# KiCad board MB1635_good_conversion.kicad_pcb (continued)
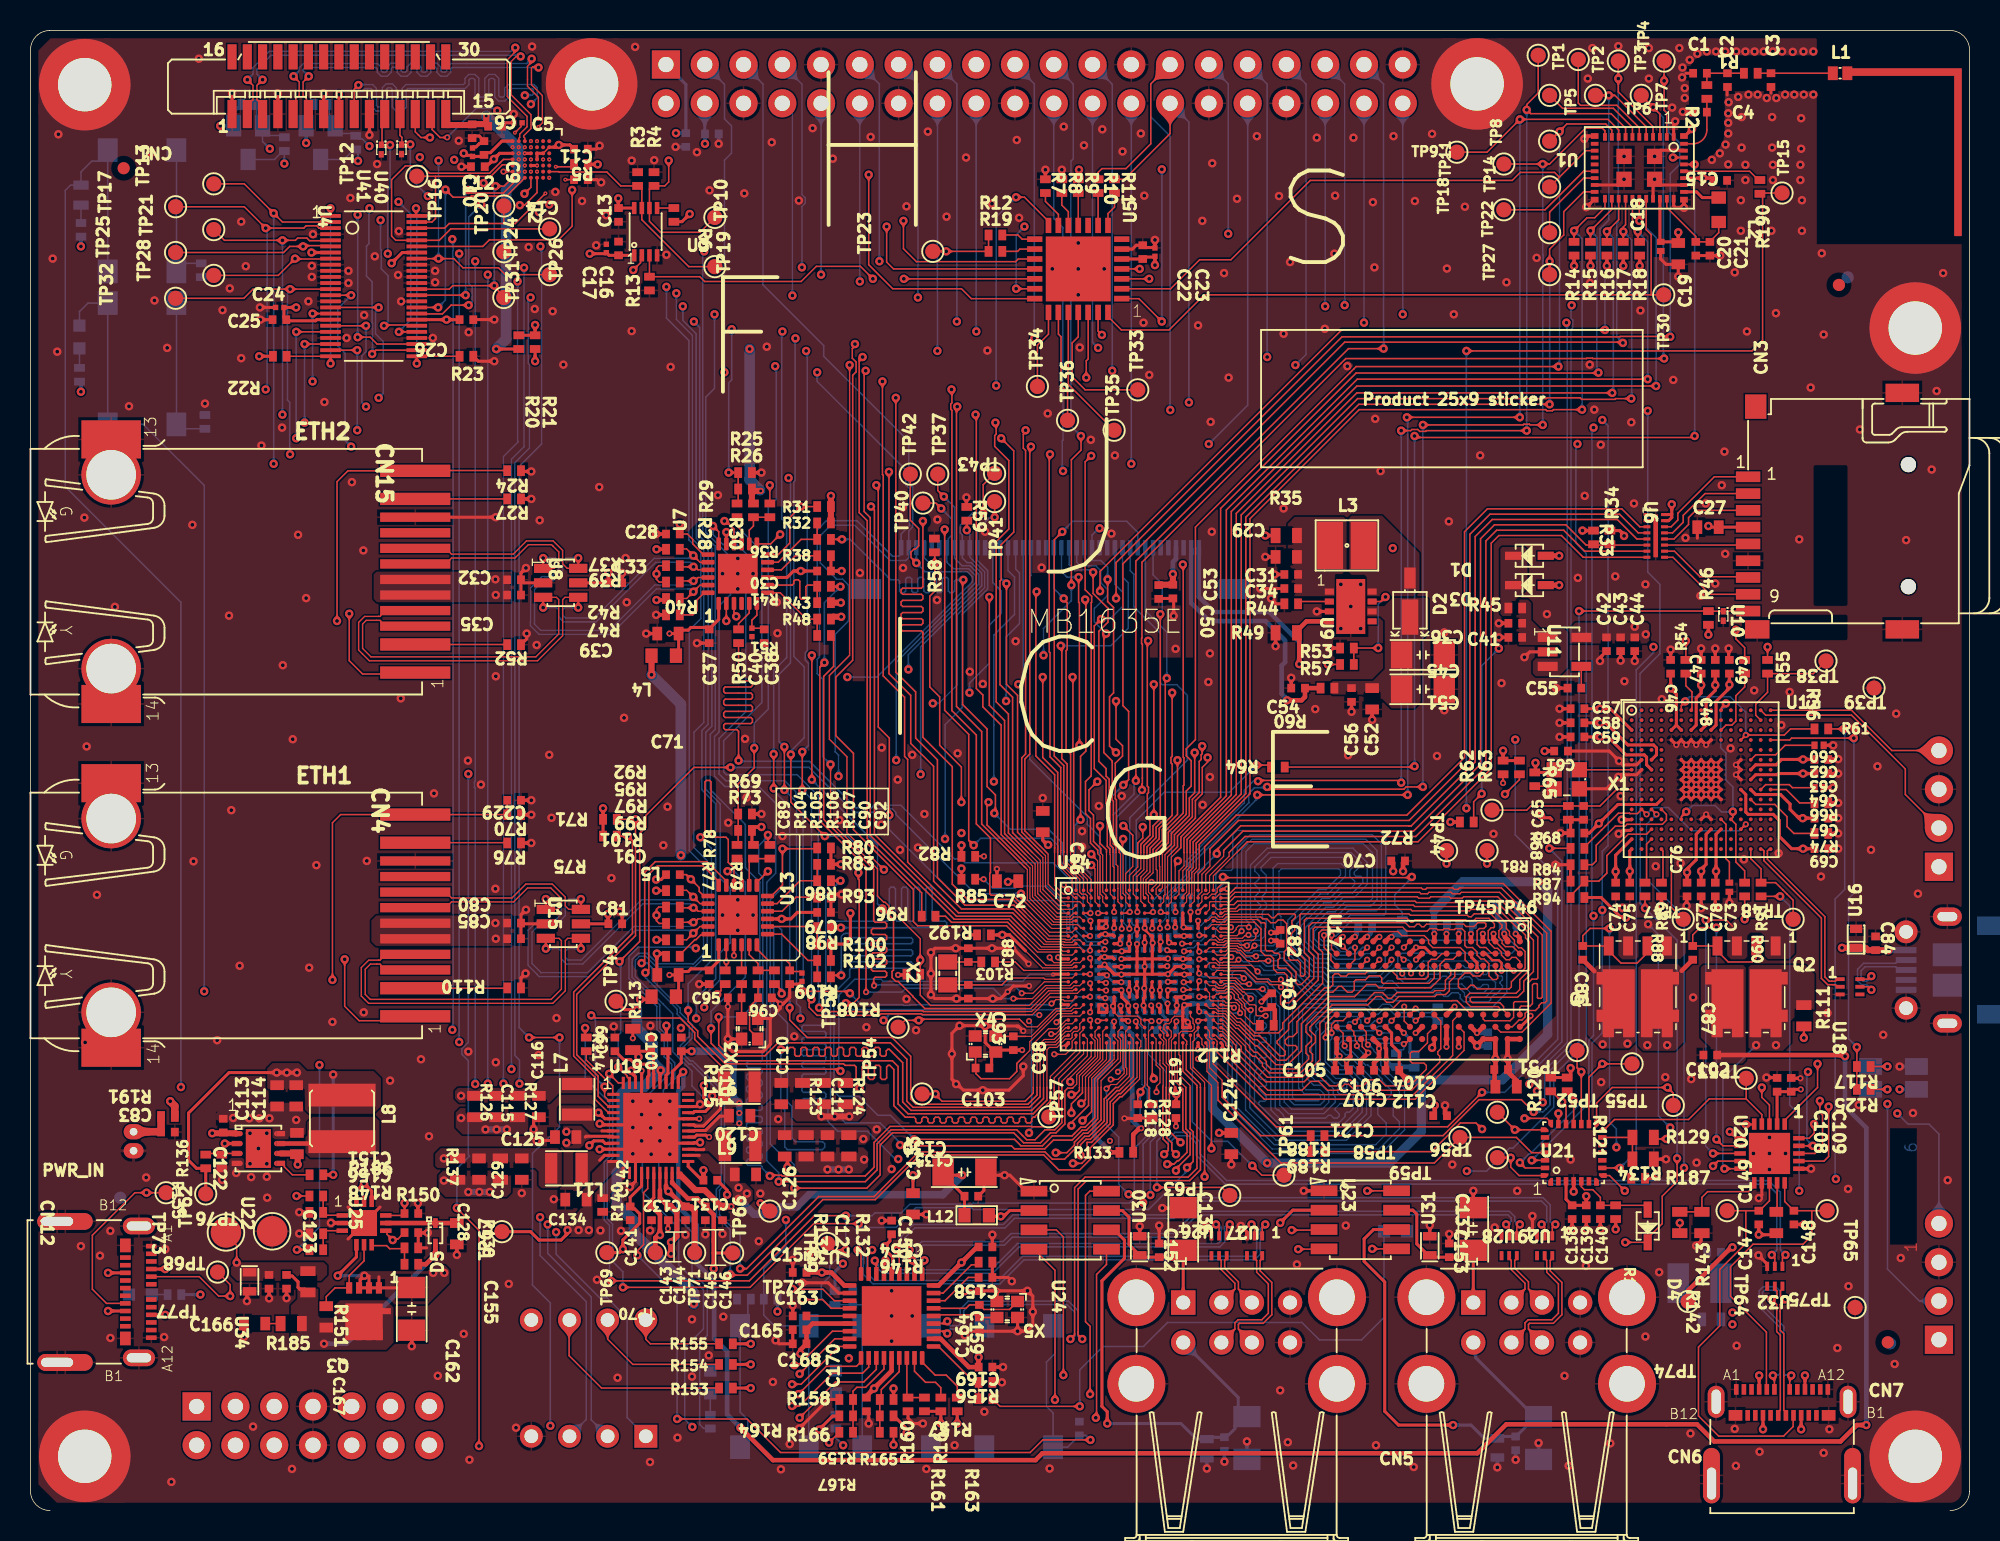
[diagram p0: board, top side]
## Routing (per net, layer and track width the routed paths; a pad name or vN(x,y) marks a point on that pad's centre or on a via; arc(x,y) is an arc through that point) (continued)
VDD_CPU: length 57.1
  Top Layer w0.2: U14.K5 69.98,36.15 70.11,36.28 v2(70.35,36.28) 70.36,36.26 70.86,36.26 70.97,36.15 U14.K7 ; U14.G7 70.97,37.65 70.9,37.72 70.6,37.72 70.58,37.74 70.42,37.74 70.4,37.72 ; 64.15,41.25 C72.2 ; U14.G5 69.98,37.65 70.09,37.76 70.39,37.76 v2(70.4,37.78) ; C66.2 66.3,43.93 66.62,43.6 v1(66.65,43.63) ; U19.5 37.62,25.68 37.22,26.08 v1(37.2,26.08) ; U14.E7 70.98,38.65 70.98,38.17 v2(70.98,38.17) ; 72.48,38.13 U14.E10 ; 72.47,37.68 v2(72.47,38.1)
  Signal Layer 1 w0.4: v1(31.2,24.98) v1(30.52,24.98) v1(29.8,24.98)
  Signal Layer 2 w0.4: v1(29.8,24.98) v1(30.52,24.98) v1(31.2,24.98) 32.3,26.08 v1(37.2,26.08)
  Signal Layer 3 w0.2: CN14.1 9.81,5.75 9.42,5.75 9.27,5.9 9.27,7.6 14.43,12.75 17.18,12.75 18.83,14.4 18.83,19.43 25.65,26.25 27.98,26.25 28.2,26.03 v1(28.2,25.73)
  Signal Layer 3 w0.4: v1(31.2,24.98) v1(30.52,24.98) v1(29.8,24.98)
  Bottom Layer w0.09: 72,37.63 v2(72.47,38.1)
  Bottom Layer w0.1: 70.44,36.28 70.47,36.28 70.47,36.28 v2(70.35,36.28) ; 72.42,38.16 72.42,38.26 72.32,38.36 72.25,38.36 72.13,38.48 72.13,38.55 C177.1
  Bottom Layer w0.15: 69.98,36.53 69.98,36.43 70.08,36.43 70.18,36.32 70.39,36.32 70.44,36.28
  Bottom Layer w0.2: C187.2 70.94,37.66 70.94,38.13 v2(70.98,38.17) 71,38.19 71,38.63 71.03,38.65
  Bottom Layer w0.3: C194.2 70.97,36.24 70.54,36.24 70.5,36.28 70.47,36.28 ; C183.2 69.93,37.65 70.04,37.65 70.11,37.73 70.4,37.73 ; C187.2 70.88,37.65 70.77,37.65 70.7,37.72 70.52,37.72 70.52,37.73 70.48,37.73 70.43,37.78 v2(70.4,37.78)
  Bottom Layer w0.4: v1(31.2,24.98) v1(30.52,24.98) v1(29.8,24.98)
  vias: v1(64.02,41.2)
VDD_DDR: length 80.3
  Top Layer w0.09: 90.35,31.7 89.98,32.07 v2(89.98,33.03)
  Top Layer w0.1: 91.9,36.53 91.94,36.49 ; 95.94,37.29 96.74,36.49
  Top Layer w0.125: 86.35,30.9 86.46,30.79
  Top Layer w0.15: v2(96.35,35.37) 96.35,35.89 96.17,36.07 95.75,36.07 95.32,36.49 95.14,36.49
  Top Layer w0.175: 86.46,29.76 86.46,30.79
  Top Layer w0.2: 75.4,36.15 v2(75.48,36.15) ; v2(75.48,36.15) 75.47,36.16 74.98,36.16 U14.K15 ; v2(75.48,36.15) U14.K17 ; U17.A8 97.6,31.7 98.21,32.31 98.21,32.39 v2(98.25,32.42) ; 91.9,36.53 91.69,36.53 91.32,36.9 v2(90.75,36.9) ; U14.G17 75.97,37.66 75.95,37.66 75.95,37.66 75.56,37.66 v2(75.55,37.65) U14.G15 ; U19.9 38.15,24.05 37.65,24.05 37.47,24.23 36.9,24.23 v1(36.6,23.93) ; 91.77,30.3 v1(91.8,30.33) 91.95,30.48 U17.H9 ; U14.U15 75.08,32.75 v2(75.08,33.1) 75.08,33.55 U14.R15 75.53,33.65 v2(75.55,33.63) 75.58,33.65 U14.R17 ; U14.M15 U14.M17 ; v2(74.98,38.23) U14.E15
  Top Layer w0.3: 95.94,37.29 95.94,37.33 95.82,37.45 v2(95.82,37.8) ; 86.35,37.3 86.63,37.58 86.73,37.58 v2(86.75,37.6) ; 91.95,26.55 91.97,26.53 91.97,25.98 C121.2 ; v2(80.63,33.35) 81.18,33.9 C94.2 ; 87.95,37.3 88.23,37.58 88.33,37.58 v2(88.35,37.6) ; 97.55,37.3 97.53,37.32 97.53,37.54 v2(97.27,37.8) ; 95.89,28.86 95.89,27.89 95.94,27.84 ; 95.89,28.86 95.89,28.89 ; 95.89,28.86 95.95,28.92 95.95,29.56 95.94,29.57 95.94,30.89 U17.C9 U17.D9 94.74,30.49 94.34,30.89 ; 92.74,32.49 v2(93.27,33.02) ; v1(89.25,41.9) 89.25,42.45 C70.2 ; 88,28.85 88,29.35 88.33,29.68 v2(88.33,30.28) 88.33,30.52 87.95,30.9 ; v2(81.25,37.35) 81.65,37.35 C82.2 ; 90.34,36.49 90.72,36.87 ; 86.46,29.76 v2(86.2,29.5) 86.2,29 86.35,28.85 ; v2(93.54,37.79) 93.54,37.3 93.55,37.3
  Signal Layer 1 w0.4: v1(28.67,20.88) v1(29.4,20.88) v1(30.07,20.88)
  Signal Layer 2 w0.4: v1(28.67,20.88) v1(29.4,20.88) v1(30.07,20.88) 32.3,23.1 35.83,23.1 36.6,23.88 v1(36.6,23.93)
  Signal Layer 3 w0.2: CN14.3 12.55,7.69 12.55,8.3 13.03,8.78 16.04,8.78 21.2,13.93 21.2,17.65 23.15,19.6 25.7,22.15 26.9,22.15 27.07,21.98 v1(27.07,21.63)
  Signal Layer 3 w0.4: v1(30.07,20.88) v1(29.4,20.88) v1(28.67,20.88)
  Bottom Layer w0.15: C193.2 75,36.25 ; 76.03,36.5 75.93,36.4 75.85,36.4 75.65,36.2 75.52,36.2 v2(75.48,36.15) 75.46,36.17 75.39,36.17
  Bottom Layer w0.175: C204.1 74.98,33.63 ; 74.93,32.65 74.98,32.7
  Bottom Layer w0.2: 75.58,35.1 75.59,35.09 75.73,35.09 75.9,34.93 75.98,34.93 76.03,34.88
  Bottom Layer w0.3: C181.2 86.87,38.14 86.87,37.75 86.75,37.63 v2(86.75,37.6) ; C182.2 75.98,37.65 arc(75.95,37.66) 75.92,37.66 75.63,37.66 arc(75.6,37.66) 75.57,37.65 75.55,37.65 v2(75.55,37.65) 75.12,37.65 C184.2 74.98,37.8 v2(74.98,38.23) 74.98,38.58 74.88,38.68 ; v2(97.27,37.8) 97.29,37.82 97.29,38.37 97.48,38.55 C172.2 ; v2(93.54,37.79) 93.57,37.82 C179.2 ; 75,33.63 v2(75.55,33.63) 75.57,33.64 75.84,33.64 75.92,33.73 76.03,33.73 C206.2 ; C204.1 75.08,33.43 v2(75.08,33.1) 75.08,32.8 74.98,32.7 ; v1(94.75,30.45) 95.24,30.45 95.27,30.43 95.33,30.49 95.42,30.4 ; 75.39,36.17 75.31,36.25 75,36.25 ; C212.2 C211.2
  Bottom Layer w0.4: v1(28.67,20.88) v1(29.4,20.88) v1(30.07,20.88)
  vias: v1(91.97,26.55) v1(95.95,29.61) v2(75.58,35.13)
VDD_LS: length 12.5
  Top Layer w0.2: 19.1,78.05 U4.18 ; v1(33.05,77.7) R21.1 R20.1 ; v1(18.4,82.45) U4.7 ; R6.2 42.15,84.47 42.67,84.47 v1(43.17,84.98) ; v1(36.63,82.38) 37.65,82.38 C17.2 37.89,82.26 C16.2 U3.1 ; 19.72,78.05 18.75,78.05 18.67,77.98 16.82,77.98 16.6,78.2 C24.2 v1(17.4,78.85)
VDD_SD: length 128
  Top Layer w0.2: 110,64.45 C27.2 CN3.4 ; 41.63,21.3 U19.20 ; 107.5,65.3 107.47,65.28 U6.16 ; 107.5,65.3 107.5,65.08 107.29,64.88 U6.15 ; 107.5,65.3 v1(107.5,65.95) ; R34.2 104.1,64.23 104.45,63.88
  Top Layer w0.3: C144.2 42.79,20.03 42.69,20.03 41.78,20.93 41.63,21.09 41.63,21.3
  Top Layer w0.4: TP71.1 43.5,19.64 43.27,19.87 42.98,19.87 42.92,19.92
  Signal Layer 3 w0.5: v1(109.9,64.53) 109.9,64.55 108.5,65.95 v1(107.5,65.95) 106.52,65.95 104.45,63.88 v1(104.37,63.88) 104.37,63.87 104.37,63.79 103.12,62.55 103.12,58.65 101.65,57.18 101.65,32.85 86.55,17.75 70.85,17.75 64.55,24.05 64.55,26.61 60.46,30.7 52.94,30.7 45.94,23.7 44.55,23.7 v1(41.78,20.93)
VDD_USB: length 82.4
  Top Layer w0.075: 74.95,27.8 74.78,27.98 74.78,29.19 74.56,29.41 74.56,30.89 74.72,31.05 74.72,31.4 U14.W14
  Top Layer w0.2: 74.97,27.73 74.97,27.48 74.95,27.45 75.05,27.35 v1(75.05,27.28) 75.05,26.93 74.95,26.83 75.15,26.63 ; 39.45,31.6 R113.2 v2(39.45,30.95)
  Signal Layer 2 w0.4: v1(75.05,27.28) 75.05,27.62 74.95,27.73 74.95,27.75 73.39,29.32 66.36,29.32 66,29.68 61.05,29.68 60.13,28.76 53.86,28.76 53.17,28.07 52.83,28.07 52,28.9 45.63,28.9 43.58,30.95 v2(39.45,30.95)
  Signal Layer 3 w0.2: 16.11,6.97 16.88,7.74 16.88,8.04 19.03,10.2 22.67,10.2 31.18,18.7 31.18,21.52 31.85,22.19 31.85,26.17 36.13,30.45 39.33,30.45 39.45,30.57 v2(39.45,30.95)
(no net):
  vias: v1(14.38,24.73) v1(14.38,22.73) v1(14.92,23.73) v1(15.47,24.73) v1(15.47,22.73) v1(98.93,45.56)
BOOT0: length 69.7
  Top Layer w0.075: 76.9,27.73 76.9,28.06 75.97,28.99 U14.Y17
  Top Layer w0.1: v1(76.9,21.88) 76.9,27.73
  Signal Layer 2 w0.1: v1(34.42,18.25) 35.08,18.9 48.68,18.9 50.68,20.9 70.78,20.9 71.7,21.83 76.85,21.83 v1(76.9,21.88)
  Bottom Layer w0.1: SW1.1 39.08,6.09 39.08,12.63 37.76,13.94 37.29,13.94 34.42,16.8 v1(34.42,18.25)
BOOT1: length 67.3
  Top Layer w0.075: U14.AA15 74.97,29.47 75.11,29.33 75.11,28.29 75.68,27.73
  Top Layer w0.1: 75.67,27.72 75.67,25.01 75.95,24.73 75.95,23.32 75.02,22.39 v1(75.02,22.28)
  Signal Layer 2 w0.1: v1(33.88,18.75) 33.88,18.75 34.28,19.15 48.65,19.15 50.2,20.7 50.83,21.33 70.86,21.33 71.81,22.28 v1(75.02,22.28)
  Bottom Layer w0.1: v1(33.88,18.75) 33.88,16.85 36.73,14 36.73,5.94 SW1.2
BOOT2: length 68.5
  Top Layer w0.075: 75.38,27.73 74.95,28.16 74.95,29.26 74.73,29.48 74.73,30.82 74.89,30.98 74.89,31.03 74.97,31.11 U14.Y15
  Top Layer w0.1: v1(74.45,22.7) 74.89,22.7 75.12,22.93 75.2,22.93 75.45,23.17 75.45,23.18 75.75,23.48 75.75,24.65 75.47,24.93 75.47,27.63 75.38,27.73
  Signal Layer 2 w0.1: v1(74.45,22.7) 71.95,22.7 70.77,21.53 50.23,21.53 50.2,21.55 49.85,21.55 49.6,21.3 49.6,21.2 47.78,19.38 33.52,19.38 v1(33.38,19.23)
  Bottom Layer w0.1: v1(33.38,19.23) 33.38,16.71 36.4,13.69 36.4,5.97 SW1.3
BT_DEV_WAKE: length 47.8
  Top Layer w0.1: U5.1 72.6,79.43 v1(74.1,77.93) ; v1(107.58,88.68) U1.39
  Signal Layer 2 w0.1: v1(74.1,87.9) 74.17,87.83 106.73,87.83 v1(107.58,88.68)
  Bottom Layer w0.1: v1(74.1,77.93) v1(74.1,87.9)
BT_HOST_WAKE: length 67.1
  Top Layer w0.1: v1(109,70.43) 108.91,70.34 108.73,70.34 108.72,70.33 90.87,70.33 90.77,70.43 v1(90.65,70.43) ; R64.1 90.65,48.73 ; U1.38 v1(109,88.23)
  Bottom Layer w0.1: v1(90.65,70.43) 90.65,70.42 v1(90.65,48.78) ; v1(109,70.43) v1(109,88.23)
BT_PCM_CLK: length 80.3
  Top Layer w0.09: v2(73.97,38.15) U14.E13
  Top Layer w0.1: U1.11 103.12,90.43 102.95,90.6 101.85,90.6 99.5,88.25 TP11.1 ; v1(91.2,71.15) 97.77,71.15 97.82,71.2 98.18,71.2 98.23,71.15 v1(99.05,71.15) ; v1(81,47.43) 81.15,47.28 89.96,47.28 90.1,47.43 v1(91.2,47.43)
  Bottom Layer w0.09: 76.54,43.13 75.87,42.45 75.87,41.58 74.38,40.09 74.38,38.83 73.98,38.43 v2(73.98,38.15)
  Bottom Layer w0.1: v1(81,47.43) 80.95,47.38 80.17,47.38 79.8,47 79.8,46.38 76.54,43.13 ; v1(91.2,47.43) v1(91.2,71.15) ; v1(99.05,88.25) 99.05,82.3 99.08,82.28 99.08,81.92 99.05,81.9 v1(99.05,71.15)
BT_PCM_SDI: length 74.5
  Top Layer w0.075: 73.94,43.13 73.94,42.24 73.96,42.21 73.96,40.99 73.72,40.75 73.72,40.4 U14.B13
  Top Layer w0.1: 73.94,43.13 73.94,43.18 74.53,43.77 74.53,44.45 75.7,45.63 75.7,47.15 76.03,47.48 76.03,49.14 75.7,49.46 75.7,49.93 76.3,50.53 76.3,64.45 86.42,74.58 86.43,74.58 86.67,74.82 86.67,74.83 86.83,74.98 v1(100.08,74.98) ; TP8.1 100.62,90.88 103.18,90.88 103.58,90.48 U1.10
  Bottom Layer w0.1: v1(100.15,90.38) 100.15,75.05 v1(100.08,74.98)
BT_PCM_SDO: length 85.4
  Top Layer w0.09: 74.48,38.15 U14.E14
  Top Layer w0.1: 90.15,46.98 90.08,46.9 v1(80.35,46.9) ; TP9.1 95.4,89.03 v1(97.55,91.18) 103.33,91.18 104.03,90.48 U1.9 ; v1(90.15,71.65) v1(97.55,71.65)
  Bottom Layer w0.09: v2(74.48,38.23) 74.48,38.66 74.56,38.75 74.56,40.01 76.05,41.5 76.05,42.35 76.83,43.13
  Bottom Layer w0.1: 76.83,43.13 80.35,46.65 v1(80.35,46.9) ; v1(90.2,46.9) 90.2,71.6 v1(90.15,71.65) ; v1(97.55,71.65) v1(97.55,91.18)
BT_PCM_WS: length 85.1
  Top Layer w0.09: 74.08,39.15 U14.D14
  Top Layer w0.1: U1.8 104.47,90.6 103.52,91.55 98.27,91.55 98.02,91.8 v1(98,91.8) 98,92.15 98.75,92.9 TP1.1 ; v1(89.78,47.7) 89.66,47.7 89.51,47.85 80.45,47.85 v1(80.4,47.8) ; v1(98,70.78) 91.43,70.78 91.38,70.73 90.99,70.73 90.86,70.85 90.47,70.85 90.4,70.78 v1(89.78,70.78)
  Bottom Layer w0.09: 76.25,43.13 75.68,42.56 75.68,41.66 74.03,40 v2(74.03,39.23)
  Bottom Layer w0.1: v1(98,70.78) v1(98,91.8) ; 76.25,43.13 79.5,46.38 79.5,47.2 80.1,47.8 v1(80.4,47.8) ; v1(89.78,47.7) 89.78,70.77 v1(89.78,70.78)
BT_REG_ON: length 35.9
  Top Layer w0.1: TP14.1 100.14,87.39 ; 100.14,87.39 101.88,89.13 U1.14 ; 100.14,87.39 99.83,87.7 97.58,87.7 97.05,87.18 83.83,87.18 78.62,81.98 76.58,81.98 74.68,80.08 U5.2
CAM_ENABLE: length 57.9
  Top Layer w0.1: CN1.11 23.02,91.35 23.02,89.56 U41.1 22.99,89.5 v1(23.55,89.5) ; v1(64.56,80.08) U5.20
  Signal Layer 2 w0.1: v1(23.4,82.38) 25.2,82.38 26.6,83.78 55.85,83.78 55.9,83.73 64.68,83.73 v1(65.1,84.15)
  Bottom Layer w0.1: v1(23.55,89.5) 23.55,86.7 23.4,86.55 v1(23.4,82.38) ; v1(64.56,80.08) 64.56,83.61 v1(65.1,84.15)
CAM_RESET: length 53.6
  Top Layer w0.1: v1(54.9,87.55) 54.9,81.65 56.47,80.08 60.97,80.08 61.63,79.43 U5.21 ; CN1.12 24.2,90.13 24.32,90 24.32,89.55 U40.1 ; 24.32,89.54 v1(24.88,89.54)
  Signal Layer 2 w0.1: v1(26.03,86.15) 26.05,86.13 28.93,86.13 29.18,86.38 30.7,86.38 31.88,87.55 v1(54.9,87.55)
  Bottom Layer w0.1: v1(24.88,89.54) 24.88,87.3 v1(26.03,86.15)
CC1: length 2.4
  Top Layer w0.1: R149.1 R147.2 19.37,18.34 U25.3
CC2: length 2.4
  Top Layer w0.1: 19.17,20.63 19.17,19.55 19.37,19.35 20.42,19.35
CLK_N: length 28.8
  Top Layer w0.09: CN1.8 v1(20.2,92.8)
  Signal Layer 1 w0.075: v3(32.38,89.35) 32.35,89.38 32.35,89.51 32.09,89.77 32.09,91.45 32.36,91.72 32.36,92.73 v1(32.38,92.75)
  Bottom Layer w0.09: v1(20.2,92.8) 20.28,92.8 20.48,93 21.73,93 21.93,93.2 22.3,93.2 22.39,93.1 22.39,91.97 22.64,91.72 23.05,91.72 23.3,91.97 23.3,93.14 23.4,93.24 23.6,93.24 23.69,93.14 23.69,91.97 23.94,91.72 24.35,91.72 24.6,91.97 24.6,93.1 24.7,93.2 28.47,93.2 28.72,93.45 28.72,93.76 28.81,93.86 29.01,93.86 29.11,93.76 29.11,92.63 29.36,92.38 29.77,92.38 30.02,92.63 30.02,93.76 30.11,93.86 30.31,93.86 30.41,93.76 30.41,92.63 30.66,92.38 31.07,92.38 31.32,92.63 31.32,93.1 31.41,93.2 32.87,93.2 32.92,93.15 32.92,92.83 32.86,92.76 32.38,92.76 v1(32.38,92.75)
CLK_P: length 27.9
  Top Layer w0.09: v1(21.47,93.43) 21.2,93.15 CN1.9
  Signal Layer 1 w0.075: v3(32.78,89.75) 32.75,89.78 32.61,89.78 32.47,89.93 32.47,91.3 32.73,91.56 32.73,92.13 v1(32.77,92.18)
  Bottom Layer w0.09: v1(21.47,93.43) 21.51,93.46 22.4,93.46 22.65,93.21 22.65,92.08 22.75,91.98 22.95,91.98 23.04,92.08 23.04,93.25 23.29,93.5 23.7,93.5 23.95,93.25 23.95,92.08 24.05,91.98 24.25,91.98 24.34,92.08 24.34,93.21 24.59,93.46 28.36,93.46 28.46,93.56 28.46,93.87 28.71,94.12 29.12,94.12 29.37,93.87 29.37,92.74 29.46,92.64 29.66,92.64 29.76,92.74 29.76,93.87 30.01,94.12 30.42,94.12 30.67,93.87 30.67,92.74 30.76,92.64 30.96,92.64 31.06,92.74 31.06,93.21 31.31,93.46 32.98,93.46 33.18,93.25 33.18,92.59 v1(32.77,92.18)
DATA1_N: length 28.4
  Top Layer w0.09: CN1.2 14.2,92.15 14.45,92.41 14.52,92.41 14.57,92.46 14.57,93.41 v1(14.2,93.78) ; U2.F1 31.98,89.76 31.98,89.93 32.04,89.99 32.04,90.21 32.52,90.69 32.52,91.38 31.22,92.67 31.22,95.08 31.8,95.65 31.75,95.7 v1(31.75,95.88)
  Bottom Layer w0.09: v1(31.75,95.88) 31.72,95.88 31.48,95.64 15.64,95.64 14.57,94.56 14.57,94.15 v1(14.2,93.78)
DATA1_P: length 27.8
  Top Layer w0.09: v1(15.2,93.78) 14.83,93.41 14.83,92.46 14.88,92.41 14.95,92.41 15.2,92.15 CN1.3 ; v1(32.1,95.3) 31.81,95.3 31.48,94.97 31.48,92.78 32.78,91.49 32.78,90.58 32.3,90.1 32.3,90.02 32.38,89.94 U2.E1
  Bottom Layer w0.09: v1(32.1,95.3) 32.02,95.38 15.75,95.38 14.83,94.46 14.83,94.15 v1(15.2,93.78)
DATA2_N: length 29.2
  Top Layer w0.09: CN1.5 17.38,91.7 17.38,92.53 17.59,92.75 17.59,93.63 v1(17.22,94) ; 33.27,91.2 33.27,92.63 32.55,93.34 32.55,94.65 32.82,94.93 v1(32.82,95.15)
  Signal Layer 1 w0.075: v3(33.26,91.2) 33.27,91.2 33.41,91.06 33.85,90.62 33.85,89.96 33.31,89.43 32.9,89.43 32.83,89.35 v3(32.78,89.35)
  Bottom Layer w0.09: v1(17.22,94) 17.59,94.37 17.59,94.56 17.87,94.84 22.72,94.84 22.97,94.59 22.97,94.37 23.07,94.27 23.27,94.27 23.36,94.37 23.36,94.61 23.61,94.86 24.02,94.86 24.27,94.61 24.27,94.37 24.37,94.27 24.57,94.27 24.66,94.37 24.66,94.61 24.91,94.86 25.32,94.86 25.57,94.61 25.57,94.37 25.67,94.27 25.87,94.27 25.96,94.37 25.96,94.61 26.21,94.86 26.62,94.86 26.87,94.61 26.87,94.37 26.97,94.27 27.17,94.27 27.26,94.37 27.26,94.59 27.51,94.84 32.51,94.84 v1(32.82,95.15)
DATA2_P: length 27.8
  Top Layer w0.09: v1(33.27,94.58) 33.22,94.63 32.89,94.63 32.81,94.55 32.81,93.45 33.52,92.74 33.52,91.32 33.53,91.31 33.53,90.96 v3(33.26,90.68) ; v1(18.22,94) 17.85,93.63 17.85,92.75 18.07,92.53 18.07,91.65 CN1.6
  Signal Layer 1 w0.075: v3(33.26,90.68) 33.47,90.47 33.47,90.05 v3(33.17,89.75)
  Bottom Layer w0.09: v1(18.22,94) 17.85,94.37 17.85,94.45 17.98,94.58 22.62,94.58 22.71,94.48 22.71,94.26 22.96,94.01 23.37,94.01 23.62,94.26 23.62,94.5 23.72,94.6 23.92,94.6 24.01,94.5 24.01,94.26 24.26,94.01 24.67,94.01 24.92,94.26 24.92,94.5 25.02,94.6 25.22,94.6 25.31,94.5 25.31,94.26 25.56,94.01 25.97,94.01 26.22,94.26 26.22,94.5 26.32,94.6 26.52,94.6 26.61,94.5 26.61,94.26 26.86,94.01 27.27,94.01 27.52,94.26 27.52,94.48 27.62,94.58 v1(33.27,94.58)
DCMI_D0: length 100.5
  Top Layer w0.075: 67.47,43.13 67.47,42.39 68.47,41.39 U14.A2
  Top Layer w0.1: v1(66.78,69.23) 66.72,69.17 66.72,56.28 66.78,56.23 66.78,49.4 67.48,48.7 67.48,43.26 67.47,43.26 67.47,43.13 ; TP32.1 13.97,79.45 14.57,80.05 v1(17,80.05) U4.13
  Signal Layer 2 w0.219: v1(17,69.23) v1(66.78,69.23)
  Bottom Layer w0.1: v1(17,69.23) 16.97,69.25 16.97,72.63 16.82,72.78 16.82,79.77 17,79.94 v1(17,80.05)
DCMI_D1: length 87.7
  Top Layer w0.075: 66.55,43.13 66.65,43.03 66.65,41.05 67.55,40.15 U14.B1
  Top Layer w0.1: v1(65.53,69.73) 65.45,69.65 65.45,49.58 65.12,49.25 65.12,44.55 66.55,43.13 ; U4.14 v1(21,79.65)
  Signal Layer 2 w0.219: v1(21,69.73) v1(65.53,69.73)
  Bottom Layer w0.1: v1(21,69.73) 20.6,70.13 20.6,75.85 20.13,76.33 20.13,78.77 v1(21,79.65)
DCMI_D2: length 86.8
  Top Layer w0.075: U14.G2 68.46,37.64 68.31,37.64 68.08,37.4 67.81,37.4 67.77,37.45 66.65,37.45 65.17,38.92
  Top Layer w0.1: v1(56.68,72.93) 56.68,54.95 57.98,53.65 57.98,50.63 59.4,49.2 59.4,41.48 61.2,39.68 64.42,39.68 65.17,38.92 ; U4.16 v1(22.8,78.85)
  Signal Layer 2 w0.219: v1(22.8,72.93) v1(56.68,72.93)
  Bottom Layer w0.1: v1(22.8,72.93) 23.1,73.23 23.1,76.62 22.6,77.12 22.6,78.57 22.8,78.77 v1(22.8,78.85)
DCMI_D3: length 88.4
  Top Layer w0.075: 65.17,38.33 66.39,37.11 67.63,37.11 67.67,37.07 68.35,37.07 68.44,37.15 U14.H2
  Top Layer w0.1: v1(55.8,74) 55.8,67.9 55.85,67.85 55.85,54.7 57.25,53.3 57.25,49.42 57.45,49.22 57.45,42.5 60.77,39.18 64.33,39.18 65.17,38.33 ; v1(18.48,78.45) U4.17
  Signal Layer 2 w0.219: v1(18.47,74) v1(55.8,74)
  Bottom Layer w0.1: v1(18.48,74) v1(18.48,78.45)
DCMI_D4: length 85.3
  Top Layer w0.075: 65.17,42.12 65.29,42.01 65.29,40.01 66.9,38.4 68.58,38.4 68.81,38.16 68.96,38.16 U14.F3
  Top Layer w0.1: v1(60.7,72.35) 60.65,72.3 60.65,52.7 62.3,51.05 62.3,44.99 65.09,42.2 65.1,42.2 65.17,42.12 ; U4.19 v1(21.97,77.65)
  Signal Layer 2 w0.219: v1(21.97,72.35) v1(60.7,72.35)
  Bottom Layer w0.1: v1(21.98,77.65) 21.98,75.95 21.7,75.68 21.7,72.63 v1(21.98,72.35)
DCMI_D5: length 89.8
  Top Layer w0.075: 65.63,43.13 66.14,42.61 66.14,40.59 67.33,39.4 68.22,39.4 U14.C2
  Top Layer w0.1: 65.63,43.13 64.33,44.43 64.33,53.3 63.5,54.13 63.5,60.93 63.58,61 63.58,63.3 64.4,64.13 64.4,69.45 v1(63.58,70.28) ; v1(17.4,77.25) U4.20
  Signal Layer 2 w0.219: v1(17.4,70.28) v1(63.58,70.28)
  Bottom Layer w0.1: v1(17.4,70.28) v1(17.4,77.25)
DCMI_D6: length 87.4
  Top Layer w0.075: 65.33,43.13 65.97,42.48 65.97,40.43 67.25,39.15 U14.D1
  Top Layer w0.1: 65.33,43.13 64.05,44.4 64.05,52.2 63.25,53 63.25,63.5 64.08,64.33 64.08,68.82 63.15,69.74 63.15,70.45 63.25,70.55 63.25,71.25 v1(63.2,71.3) ; v1(17.95,76.45) U4.22
  Signal Layer 2 w0.219: v1(17.95,71.3) v1(63.2,71.3)
  Bottom Layer w0.1: v1(17.95,71.3) v1(17.95,76.45)
DCMI_D7: length 84.6
  Top Layer w0.075: 66.27,43.13 66.48,42.91 66.48,40.85 67.42,39.9 68.72,39.9 U14.C3
  Top Layer w0.1: v1(65.18,70.8) 65.18,70.68 65.02,70.53 65.02,69.62 65.17,69.47 65.17,49.58 64.92,49.33 64.92,44.47 66.27,43.13 ; U4.23 v1(21.4,76.05)
  Signal Layer 2 w0.219: v1(21.4,70.8) v1(65.18,70.8)
  Bottom Layer w0.1: v1(21.4,70.8) v1(21.4,76.05)
DCMI_HSYNC: length 102.2
  Top Layer w0.075: U14.E3 68.72,38.9 68.32,38.9 68.15,38.73 67.12,38.73 65.63,40.22 65.63,42.25 65.17,42.7
  Top Layer w0.1: v1(61.9,71.83) 61.95,71.78 61.95,53.88 62.37,53.45 62.37,52.68 63.58,51.48 63.58,44.3 65.17,42.7 ; TP21.1 12.7,83.25 v1(16.5,83.25) 17.35,83.25 17.5,83.4 18.1,83.4 18.27,83.23 19.63,83.23 U4.5
  Signal Layer 2 w0.219: v1(16.5,71.83) v1(61.9,71.83)
  Bottom Layer w0.1: v1(16.5,71.83) v1(16.5,83.25)
DCMI_PIXCLK: length 109.4
  Top Layer w0.075: U14.C6 70.22,39.9 70.22,40.23 70.22,40.23 70.22,40.25 70.06,40.41 70.06,42.88 69.9,43.04 69.9,43.13
  Top Layer w0.1: TP13.1 14,86.95 v1(15.93,85.03) 16.5,84.45 U4.2 ; v1(69.48,69.13) 69.08,68.73 69.08,60.35 69.5,59.92 69.5,59.53 69.48,59.5 69.48,48.15 69.1,47.78 69.1,45.68 69.43,45.35 69.43,43.75 69.9,43.28 69.9,43.13
  Signal Layer 2 w0.219: v1(69.48,69.13) 67.39,69.13 66.87,68.6 v1(15.92,68.6)
  Bottom Layer w0.1: v1(15.93,68.6) v1(15.93,85.03)
DCMI_VSYNC: length 107.4
  Top Layer w0.075: U14.F2 68.22,37.9 66.75,37.9 65.58,39.07 65.58,39.08 65.17,39.48
  Top Layer w0.1: TP17.1 14,85.45 v1(15.4,84.05) 17.9,84.05 18.05,84.2 18.75,84.2 18.9,84.05 U4.3 ; 65.17,39.48 64.33,40.33 62.92,40.33 62.83,40.41 62.83,41.76 62.88,41.8 62.88,44.07 61.95,45 61.95,50.83 60.35,52.43 60.35,72.1 60.28,72.17 60.28,72.53 60.35,72.6 60.35,73.45 v1(60.33,73.48)
  Signal Layer 2 w0.219: v1(15.4,73.48) v1(60.33,73.48)
  Bottom Layer w0.1: v1(15.4,84.05) 15.49,83.96 15.49,83.78 15.5,83.77 15.5,73.7 15.4,73.6 v1(15.4,73.48)
DDR_A0: length 30.1
  Top Layer w0.075: 79.59,37.06 79.23,37.06 79.13,37.16 78.32,37.16 78.22,37.07 77.73,37.07 77.73,37.07 77.72,37.07 77.64,37.14 77.47,37.14
  Top Layer w0.09: 87.95,35.69 v2(88.35,36.1)
  Bottom Layer w0.09: 79.66,37 80.03,37.37 80.56,37.37 80.83,37.64 80.83,38.1 80.94,38.21 80.94,38.63 80.69,38.88 80.69,39.26 80.95,39.52 80.95,39.79 80.68,40.06 80.68,40.25 80.94,40.51 80.94,41.64 80.6,41.98 80.6,42.15 81.25,42.8 86.4,42.8 86.7,42.5 86.7,42.25 86.42,41.97 86.42,41.56 86.73,41.25 86.73,41.02 86.46,40.76 85.73,40.76 85.09,40.11 84.59,40.11 82.93,38.45 82.93,37.1 84.15,35.88 84.92,35.88 85.26,35.54 87.79,35.54 v2(88.35,36.1)
  vias: v2(79.68,37.03)
DDR_A1: length 29.9
  Top Layer w0.075: U14.N21 78.01,34.65 78.09,34.73 78.89,34.73 79.47,34.16 80.76,34.16
  Top Layer w0.09: v2(86.75,32.02) 87.15,32.42 87.15,32.5
  Bottom Layer w0.09: v2(86.75,32.02) 86.33,32.02 86.26,31.95 86.26,31.79 86.21,31.74 85.7,31.74 85.63,31.81 85.63,32.03 85.57,32.08 85.36,32.08 85.21,31.94 84.85,31.94 84.7,32.08 84.43,32.08 84.19,31.85 84.19,31.71 84.3,31.6 84.3,31.51 84.19,31.4 84.19,28.55 84.3,28.45 84.43,28.45 84.53,28.55 84.53,28.63 84.6,28.7 84.7,28.7 85.38,28.02 86.12,28.02 86.22,27.92 86.22,27.74 86.15,27.68 85.7,27.68 85.62,27.6 85.62,27.41 85.75,27.28 86.28,27.28 86.35,27.2 86.35,26.6 86.28,26.53 86.08,26.53 85.93,26.68 85.78,26.68 85.45,26.35 85.45,26.25 85.73,25.98 85.73,25.85 85.59,25.72 85.36,25.72 85.18,25.9 85.01,25.9 84.83,25.72 82.2,25.72 82.06,25.86 82.06,25.94 81.74,26.26 81.66,26.26 81.54,26.38 81.54,32.85 81.29,33.1 81.29,33.59 80.7,34.17 v2(80.7,34.18)
DDR_A2: length 30.3
  Top Layer w0.075: v2(79.78,37.73) 79.72,37.67 79.53,37.67 79.37,37.5 78.18,37.5 78.08,37.4 77.87,37.4 77.87,37.41 77.86,37.41 77.63,37.63 77.48,37.63 77.47,37.65
  Top Layer w0.09: 87.14,35.69 v2(87.55,36.1)
  Bottom Layer w0.09: v2(79.78,37.73) 79.88,37.63 80.39,37.63 80.6,37.83 80.6,38.57 80.25,38.91 80.25,39.23 80.58,39.56 80.58,39.67 80.2,40.05 80.2,40.25 80.5,40.55 80.5,40.7 80.2,41.01 80.2,41.12 80.48,41.4 80.48,41.62 80.2,41.9 80.2,42.18 81.13,43.12 86.5,43.12 87.15,42.46 87.15,42.29 86.71,41.84 86.71,41.68 86.81,41.58 87.13,41.58 87.26,41.44 87.26,41.15 86.58,40.47 85.85,40.47 85.21,39.82 84.71,39.82 83.22,38.33 83.22,37.19 84.24,36.17 85.04,36.17 85.38,35.83 87.35,35.83 87.4,35.88 87.4,35.89 87.55,36.04 v2(87.55,36.1)
DDR_A3: length 30.8
  Top Layer w0.075: v2(80.25,37.98) 80.25,37.53 80.11,37.38 79.5,37.38 79.45,37.33 78.25,37.33 78.15,37.23 77.8,37.23 77.8,37.24 77.79,37.24 77.63,37.4 77.22,37.4 76.97,37.15
  Top Layer w0.09: 87.94,36.49 v2(88.35,36.9)
  Bottom Layer w0.09: v2(88.35,36.9) 87.95,36.5 87.4,36.5 87.02,36.12 85.49,36.12 85.16,36.46 84.33,36.46 83.51,37.28 83.51,38.21 84.83,39.53 85.33,39.53 85.97,40.18 86.7,40.18 87.55,41.03 87.55,42.48 86.62,43.41 81.01,43.41 79.91,42.31 79.91,38.85 80.25,38.5 v2(80.25,37.98)
DDR_A4: length 30.6
  Top Layer w0.09: v2(87.6,30.53) 87.6,30.61 87.49,30.72 87.49,31.36 87.15,31.7
  Top Layer w0.1: v2(76.55,33.68) 76.56,33.66 76.96,33.66 U14.R19
  Bottom Layer w0.09: v2(87.6,30.53) 87.65,30.53 87.98,30.2 87.98,30.13 88.45,29.66 88.45,29.18 90,27.63 90,24.95 88.45,23.4 81.22,23.4 78.43,26.19 78.43,30.48 77.8,31.1 77.8,33.45 77.57,33.68 76.56,33.68 v2(76.55,33.68)
DDR_A5: length 30.1
  Top Layer w0.075: v2(79.8,38.23) 79.72,38.23 79.62,38.32 79.12,38.32 78.97,38.17 78.97,38.09 78.77,37.88 78.33,37.88 78.31,37.9 77.87,37.9 77.64,38.14 77.48,38.14 77.47,38.15
  Top Layer w0.09: 87.14,36.49 v2(87.55,36.9)
  Bottom Layer w0.09: v2(87.55,36.9) 87.24,36.9 86.82,36.48 86.41,36.48 86.32,36.39 85.64,36.39 85.28,36.75 84.42,36.75 83.8,37.37 83.8,38.08 84.96,39.24 85.45,39.24 86.09,39.89 87.66,39.89 87.91,40.13 87.91,43.1 87.3,43.7 80.12,43.7 79.62,43.19 79.62,38.7 79.8,38.52 v2(79.8,38.23)
DDR_A6: length 29.8
  Top Layer w0.09: U14.R21 78.5,33.65 v2(78.5,33.63) ; 86.35,31.7 86.68,31.37 86.68,31.18 86.78,31.08 86.78,30.8 86.88,30.7 v2(86.88,30.45)
  Bottom Layer w0.09: v2(86.88,30.45) 86.88,30.42 86.85,30.4 87.28,29.97 87.28,29.77 87.45,29.6 87.95,29.6 88.16,29.39 88.16,29.06 89.66,27.56 89.66,27.08 89.25,26.67 89.25,25.88 89.66,25.47 89.66,25.02 88.33,23.69 81.34,23.69 78.72,26.31 78.72,30.6 78.09,31.22 78.09,33.51 78.21,33.63 v2(78.5,33.63)
DDR_A7: length 31.4
  Top Layer w0.09: 86.35,36.5 86.35,36.57 v2(85.95,36.97) ; U14.J17 v2(75.55,36.65) 75.53,36.65 ; 75.47,36.65 75.97,36.65
  Bottom Layer w0.09: 75.55,36.65 75.77,36.88 76.19,36.88 76.38,37.07 76.93,37.07 77.61,37.75 77.61,38.11 78.4,38.9 78.4,40.29 79.04,40.92 79.04,43.43 79.88,44.28 87.9,44.28 88.49,43.69 88.49,39.64 88.16,39.31 86.33,39.31 85.69,38.66 85.2,38.66 84.38,37.84 84.38,37.56 84.61,37.33 85.59,37.33 v2(85.95,36.97)
DDR_A8: length 31
  Top Layer w0.075: v2(79.23,32.6) 79.17,32.66 79.17,33.09 78.97,33.3 78.68,33.3 78.67,33.28 78.3,33.28 78.18,33.4 77.33,33.4 77.23,33.5 77.23,33.9 U14.P19
  Top Layer w0.09: v2(86.08,30.45) 85.98,30.55 85.98,31.27 85.55,31.7
  Bottom Layer w0.09: 87.25,23.98 88.1,23.98 88.8,24.68 88.8,25.4 88.25,25.95 88.25,26.38 89.13,27.25 89.13,27.55 88.53,28.15 88.53,28.28 87.61,29.2 87.44,29.2 86.47,30.17 86.26,30.17 86.05,30.38 86.08,30.4 v2(86.08,30.45) ; 87.23,23.98 83.35,23.98 83.35,23.98 81.46,23.98 79.01,26.43 79.01,30.72 78.38,31.34 78.38,32.43 78.55,32.6 v2(79.23,32.6)